# KiCad board ABG-K7072.kicad_pcb (continued)
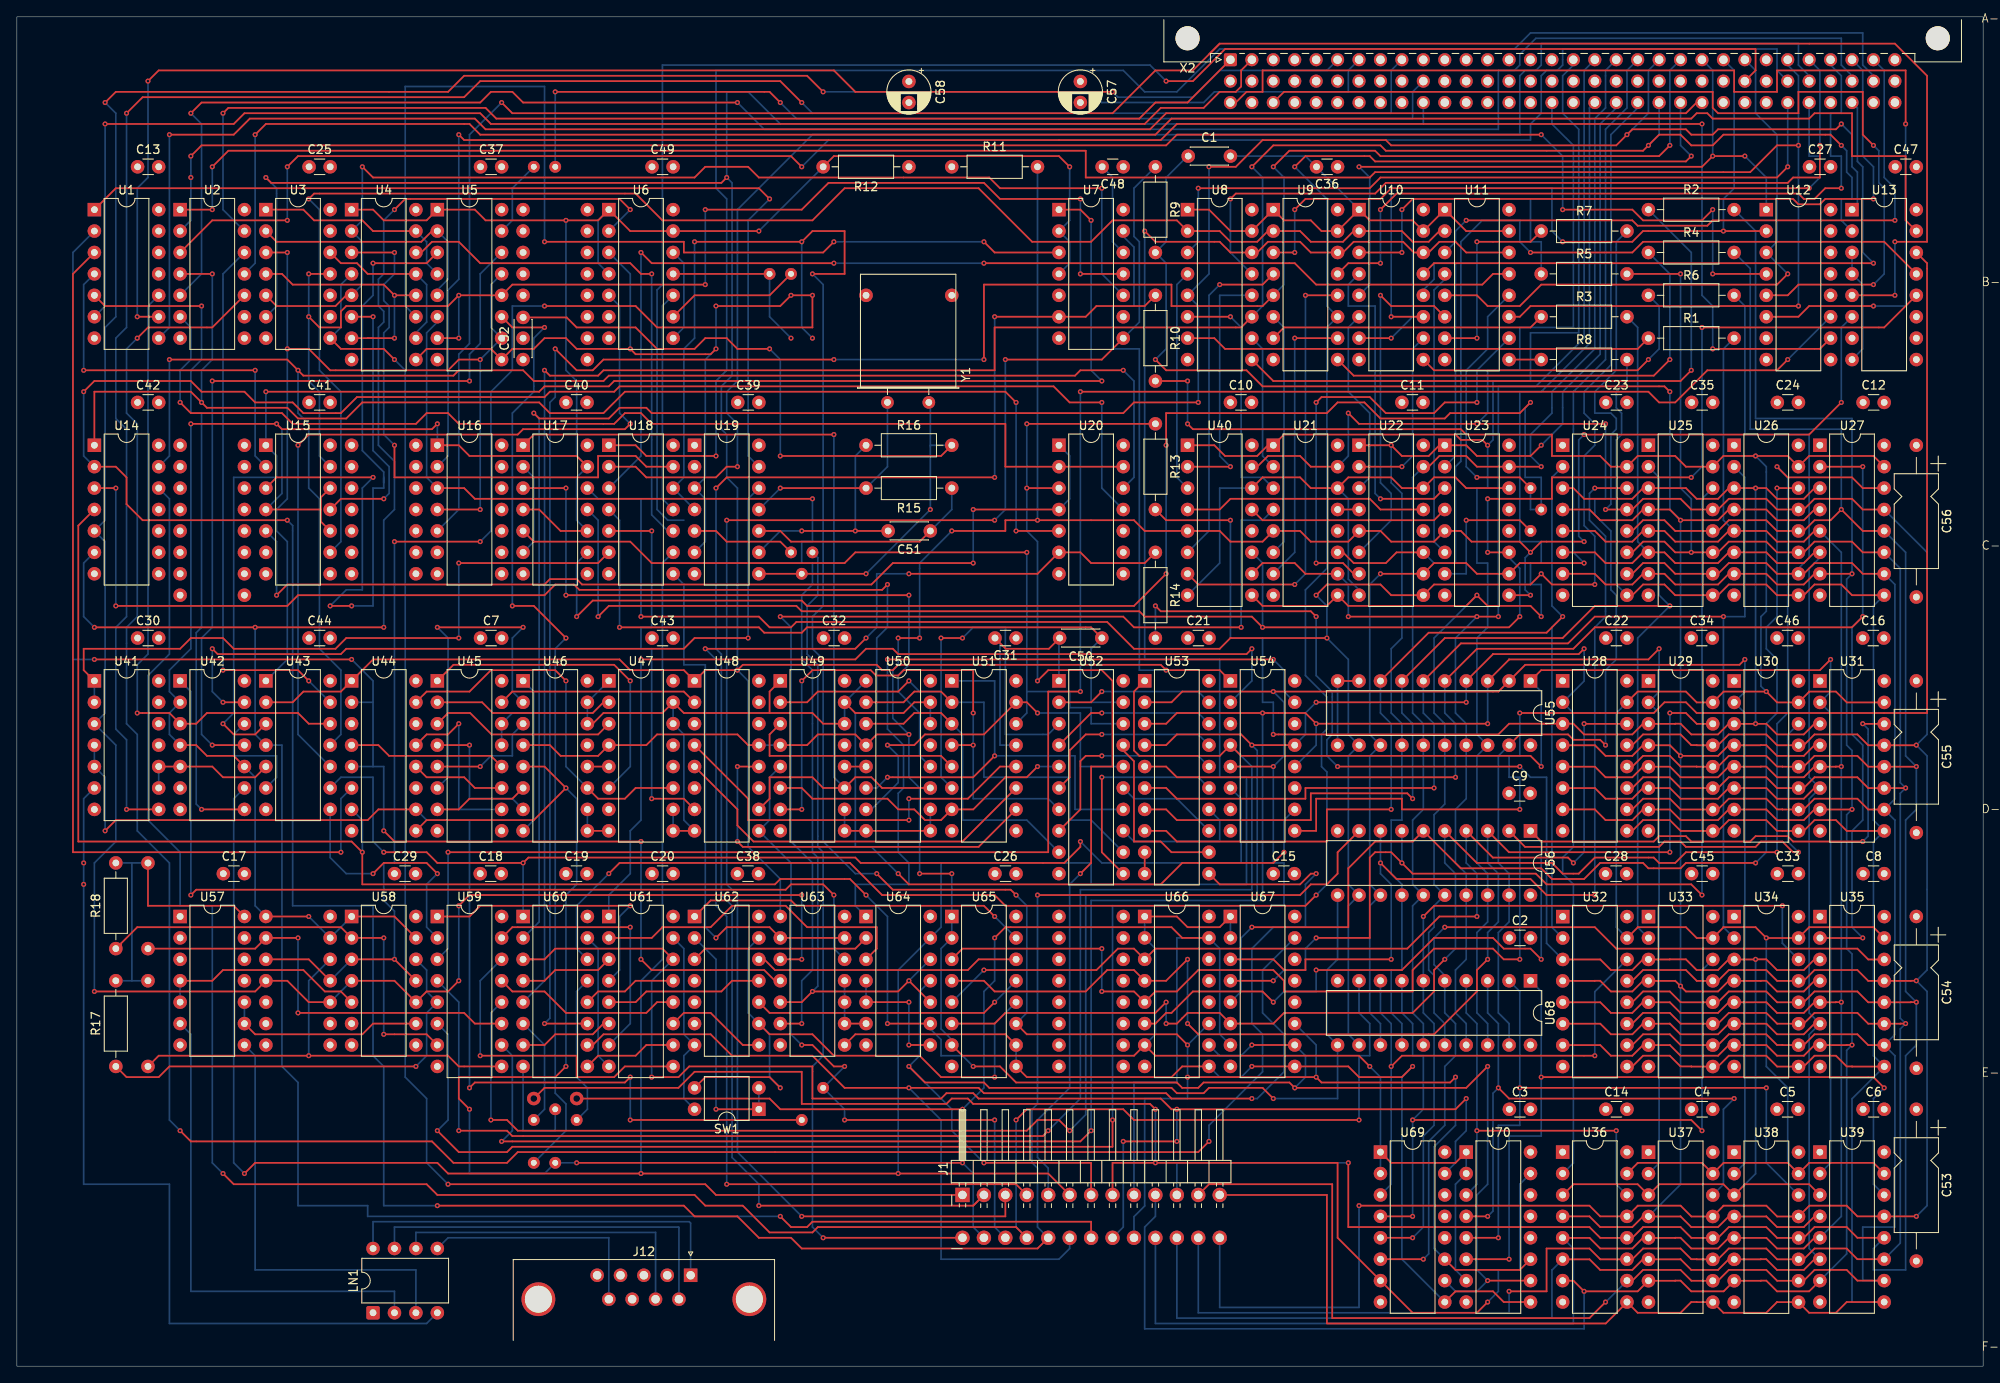
[diagram p0: board, top side]
## Routing (per net, layer and track width the routed paths; a pad name or vN(x,y) marks a point on that pad's centre or on a via; arc(x,y) is an arc through that point) (continued)
/IDI4: length 170.1
  Top w0.2: v1(218.73,106.66) U27.2 ; U35.2 218.72,50.76 v1(218.73,50.78) ; v1(218.73,88.88) 217.47,87.61 186.98,87.61 184.44,85.07 173.01,85.07 173.01,85.06 U55.5 ; v1(170.47,69.83) 137.46,69.83 136.19,71.1 U53.5
  Bottom w0.2: U55.5 169.21,77.45 170.47,76.18 v1(170.47,69.83) ; v1(218.73,50.78) 217.47,52.05 217.47,63.48 218.73,64.75 218.73,73.64 217.47,74.91 217.47,87.61 v1(218.73,88.88) v1(218.73,106.66)
/IDI5: length 147.5
  Top w0.2: v1(202.22,88.88) 186.98,88.88 183.81,85.7 171.12,85.7 U55.6 ; v1(167.94,68.56) 152.69,68.56 152.69,67.29 137.46,67.29 136.19,68.56 U53.6
  Bottom w0.2: U34.2 202.22,52.04 v1(202.22,88.88) 204.76,88.88 204.76,105.39 U26.2 ; v1(167.94,68.56) 167.94,76.18 166.66,77.45 U55.6
/IDI6: length 144.7
  Top w0.2: U53.7 136.19,66.02 137.46,64.75 153.33,64.75 153.33,67.92 164.76,67.92 v1(165.4,67.29) ; v1(195.88,90.15) 186.98,90.15 183.18,86.34 169.21,86.34 169.21,86.33 U55.7
  Bottom w0.2: U25.2 194.6,105.39 194.6,91.42 v1(195.88,90.15) 192.06,86.34 192.06,52.04 U33.2 ; U55.7 164.12,77.45 165.4,76.18 v1(165.4,67.29)
/IDI7: length 132.1
  Top w0.2: U53.8 136.19,63.48 137.46,62.21 155.23,62.21 155.23,66.02 v1(162.85,66.02) ; U55.8 161.59,81.26 167.3,86.97 181.27,86.97 v1(183.18,88.88)
  Bottom w0.2: v1(162.85,66.02) 162.85,76.18 161.59,77.45 U55.8 ; U32.2 181.91,52.04 181.91,87.61 v1(183.18,88.88) 181.91,90.15 181.91,105.39 U24.2
/IDO0: length 97.4
  Top w0.2: v1(221.28,33) 220.01,34.27 v1(180.63,34.27) ; v1(176.82,12.68) U70.6
  Bottom w0.2: U68.1 180.63,44.43 v1(180.63,34.27) 180.63,27.28 176.82,27.28 v1(176.82,12.68) ; v1(221.28,33) 220.01,31.73 220.01,21.57 U39.14
/IDO1: length 80.9
  Top w0.2: v1(175.56,15.22) U70.5 ; v1(207.31,33) v1(178.09,33)
  Bottom w0.2: U68.2 178.09,44.43 v1(178.09,33) 178.09,28.56 175.56,28.56 v1(175.56,15.22) ; v1(207.31,33) 207.31,24.1 U38.14
/IDO2: length 72.5
  Top w0.2: v1(174.28,17.76) U70.4 ; v1(203.5,31.73) 176.82,31.73 v1(175.56,33)
  Bottom w0.2: v1(174.28,17.76) 174.92,18.4 174.92,32.37 v1(175.56,33) 175.56,40.62 174.28,41.89 U68.3 ; U37.14 202.22,21.54 202.22,30.46 v1(203.5,31.73)
/IDO3: length 51.1
  Top w0.2: v1(189.53,27.92) v1(173.01,27.92)
  Bottom w0.2: U70.3 173.01,21.57 v1(173.01,27.92) 173.01,40.62 171.75,41.89 U68.4 ; v1(189.53,27.92) 189.53,21.56 190.81,20.28
/IDO4: length 101.3
  Top w0.2: U35.14 219.39,48.22 218.1,49.51 189.53,49.51 186.98,52.05 v1(169.21,52.05) ; v1(166.66,12.68) U69.6
  Bottom w0.2: v1(169.21,52.05) 167.94,50.78 167.94,47.6 169.21,46.34 U68.5 169.21,41.89 170.47,40.62 170.47,36.81 169.21,35.54 169.21,28.56 167.3,26.65 167.3,13.31 v1(166.66,12.68)
/IDO5: length 93.7
  Top w0.2: v1(165.4,15.22) U69.5 ; v1(209.21,54.59) 167.94,54.59 v1(166.66,53.32)
  Bottom w0.2: v1(165.4,15.22) 166.66,16.49 166.66,27.28 167.94,28.56 167.94,40.62 166.66,41.89 U68.6 v1(166.66,53.32) ; v1(209.21,54.59) 209.21,50.14 U34.14
/IDO6: length 89.7
  Top w0.2: v1(165.4,17.76) U69.4 ; v1(199.69,27.92) 198.41,29.19 v1(165.4,29.19)
  Bottom w0.2: v1(199.69,27.92) 199.69,46.94 U33.14 ; U68.7 164.12,41.89 165.4,40.62 165.4,36.81 166.66,36.81 166.66,30.46 v1(165.4,29.19) v1(165.4,17.76)
/IDO7: length 64.1
  Top w0.2: v1(162.85,35.54) 164.12,36.81 v1(186.98,36.81)
  Bottom w0.2: U32.14 186.98,44.41 v1(186.98,36.81) ; U69.3 162.85,21.57 v1(162.85,35.54) 162.85,40.62 161.59,41.89 U68.8
/IDO8: length 128.5
  Top w0.2: v1(180.63,48.24) 179.37,49.51 176.19,49.51 174.92,50.78 167.94,50.78 164.12,46.97 v1(153.97,46.97) ; U56.1 180.62,62.21 193.97,62.21 194.6,62.84 197.78,62.84 198.41,62.21 205.4,62.21 206.03,62.84 209.84,62.84 210.48,62.21 v1(218.73,62.21) ; U66.6 134.91,40.62 136.19,41.89 136.82,41.89 139.36,44.43 147.62,44.43 v1(148.88,43.16) ; U31.14 218.75,76.16 v1(218.73,76.18)
  Bottom w0.2: v1(218.73,62.21) 219.37,62.84 219.37,75.55 v1(218.73,76.18) ; v1(148.88,43.16) 150.16,44.43 153.97,44.43 v1(153.97,46.97) ; U56.1 179.38,63.47 180.63,62.21 v1(180.63,48.24)
/IDO9: length 149.4
  Top w0.2: U65.3 112.06,49.51 v1(128.56,49.51) ; U56.2 178.72,61.57 194.6,61.57 195.24,62.21 197.15,62.21 197.78,61.57 206.03,61.57 206.67,62.21 209.21,62.21 210.48,60.94 v1(211.12,60.94) ; v1(128.56,44.43) 132.38,44.43 U66.5 134.91,44.43 137.46,44.43 140,46.97 148.88,46.97 150.16,45.7 150.16,44.43 165.4,44.43 165.4,46.97 167.94,49.51 174.92,49.51 176.19,48.24 v1(178.09,48.24)
  Bottom w0.2: U56.2 178.09,62.2 v1(178.09,48.24) ; U30.14 209.84,74.88 209.84,62.21 v1(211.12,60.94) ; v1(128.56,44.43) v1(128.56,49.51)
/IDO10: length 141
  Top w0.2: v1(138.72,40.62) 140,39.35 167.94,39.35 173.01,44.43 173.01,46.97 v1(174.28,48.24) ; U65.4 114.59,45.7 115.87,44.43 126.66,44.43 129.2,46.97 132.38,46.97 U66.4 136.19,45.7 v1(138.72,48.24) ; v1(195.88,60.94) 176.81,60.94 U56.3 ; v1(195.88,77.45) 197.78,77.45 199.06,76.16 U29.14
  Bottom w0.2: v1(138.72,40.62) v1(138.72,48.24) ; v1(174.28,48.24) 174.28,51.41 175.56,52.69 175.56,58.4 174.28,59.67 U56.3 ; v1(195.88,77.45) v1(195.88,60.94)
/IDO11: length 114.6
  Top w0.2: v1(173.01,53.32) 168.57,53.32 164.76,49.51 134.91,49.51 U66.3 132.38,49.51 130.47,49.51 127.93,46.97 v1(114.59,46.97) ; U56.4 174.91,60.31 183.81,60.31 v1(184.44,59.67) ; v1(185.72,76.18) 185.73,76.16 190.81,76.16
  Bottom w0.2: v1(173.01,53.32) 173.01,58.4 171.75,59.67 U56.4 ; v1(185.72,76.18) 185.72,60.94 v1(184.44,59.67) ; U65.5 v1(114.59,46.97)
/IDO12: length 187.6
  Top w0.2: U65.6 115.87,40.62 117.13,41.89 134.91,41.89 v1(136.19,43.16) ; U27.14 218.73,104.12 217.47,105.39 209.84,105.39 v1(208.57,106.66) ; U56.5 173,59.67 181.91,59.67 183.18,58.4 185.08,58.4 186.98,60.31 193.97,60.31 194.6,59.67 196.51,59.67 197.78,60.94 v1(208.57,60.94) ; v1(169.21,48.24) 167.94,46.97 167.94,44.43 165.4,41.89 150.16,41.89 148.88,40.62 U67.6 142.53,41.89 138.72,41.89 137.46,40.62 v1(136.19,40.62)
  Bottom w0.2: U56.5 169.21,59.67 170.47,58.4 170.47,49.51 v1(169.21,48.24) ; v1(208.57,60.94) 208.57,76.18 209.84,77.45 209.84,105.39 v1(208.57,106.66) ; v1(136.19,40.62) v1(136.19,43.16)
/IDO13: length 131.2
  Top w0.2: v1(208.57,104.12) U26.14 ; v1(206.03,59.67) 197.78,59.67 197.15,59.03 193.34,59.03 192.7,59.67 187.62,59.67 185.72,57.76 181.91,57.76 180.63,59.03 171.1,59.03 U56.6 165.41,62.21 160.95,62.21 157.78,59.03 157.78,52.05 v1(146.34,52.05)
  Bottom w0.2: U67.5 145.07,44.43 145.07,50.78 v1(146.34,52.05) ; v1(206.03,59.67) 207.31,60.94 207.31,76.18 208.57,77.45 208.57,83.8 207.31,85.07 207.31,87.61 208.57,88.88 v1(208.57,104.12)
/IDO14: length 124
  Top w0.2: U67.4 v1(148.88,45.7) ; v1(153.97,50.78) 160.31,50.78 160.31,60.31 160.95,60.94 162.85,60.94 v1(164.12,59.67) 165.4,58.4 180,58.4 181.27,57.13 198.41,57.13 v1(199.69,55.86)
  Bottom w0.2: U25.14 199.69,102.85 v1(199.69,55.86) ; v1(148.88,45.7) 150.16,46.97 152.69,46.97 152.69,49.51 v1(153.97,50.78) ; v1(164.12,59.67) U56.7
/IDO15: length 117.2
  Top w0.2: v1(161.59,59.67) 163.49,57.76 179.37,57.76 181.27,55.86 v1(186.98,55.86) ; U67.3 148.88,48.24 150.16,46.97 152.69,46.97 152.69,48.24 v1(162.85,48.24) ; v1(186.98,104.12) U24.14
  Bottom w0.2: v1(186.98,55.86) 186.98,87.61 188.25,88.88 188.25,98.41 186.35,100.31 186.35,103.48 v1(186.98,104.12) ; v1(162.85,48.24) 162.85,57.13 161.59,58.4 v1(161.59,59.67) U56.8
/LineCtrReset: length 46.6
  Top w0.2: U51.10 113.96,61.57 86.02,61.57 v1(85.38,62.21) ; v1(85.38,71.1) U48.12
  Bottom w0.2: v1(85.38,62.21) v1(85.38,71.1)
AdMuxA: length 436.5
  Top w0.2: v1(133.65,134.6) 134.91,133.33 142.53,133.33 143.81,132.06 U8.14 146.98,132.06 148.25,133.33 152.06,133.33 153.33,132.06 U9.14 157.14,132.06 158.41,133.33 164.26,133.33 165.53,132.06 U10.14 167.3,132.06 168.57,133.33 170.47,133.33 171.75,132.06 U11.14 ; v1(26.97,22.84) 28.23,24.11 49.83,24.11 51.09,22.84 v1(73.95,22.84) v1(104.44,22.84) 122.22,22.84 J1.b6
  Bottom w0.2: U42.9 25.69,67.29 25.69,24.11 v1(26.97,22.84) ; v1(104.44,22.84) 104.44,46.97 U64.13 109.51,52.05 109.51,59.67 127.29,59.67 127.29,57.13 145.71,57.13 145.71,69.83 142.53,69.83 142.53,83.8 133.65,83.8 v1(133.65,134.6) ; v1(73.95,22.84) 73.95,45.7 76.5,48.24 76.5,95.23 U18.9
AdMuxB: length 189.2
  Top w0.2: v1(34.58,138.41) 35.22,139.04 73.32,139.04 76.5,135.87 94.28,135.87 98.09,139.68 113.96,139.68 120.31,133.33 127.29,133.33 129.84,135.87 137.46,135.87 U8.2 142.53,134.6 143.81,133.33 146.98,133.33 148.25,134.6 U9.2 152.06,134.6 153.33,133.33 157.14,133.33 158.41,134.6 U10.2 164.12,134.6 165.4,133.33 167.3,133.33 168.57,134.6 U11.2
  Bottom w0.2: U15.9 38.39,97.77 38.39,115.55 35.86,118.09 35.86,137.14 v1(34.58,138.41)
BLINK: length 90.8
  Top w0.2: v1(148.88,83.8) v1(103.16,83.8)
  Bottom w0.2: v1(103.16,83.8) 103.16,75.55 105.07,73.64 105.07,68.56 104.44,67.92 104.44,60.94 105.71,59.67 105.71,57.13 99.35,57.13 99.35,54.59 U64.1 ; U54.15 150.16,79.99 150.16,82.53 v1(148.88,83.8)
CAS: length 286.8
  Top w0.2: v1(138.72,116.82) R10.2 ; 190.81,22.82 192.06,24.09 192.06,24.11 199.68,24.11 U37.15 202.25,24.11 209.84,24.11 U38.15 212.39,24.09 212.39,24.11 220.01,24.11 U39.15 ; v1(138.72,111.74) 139.36,111.1 171.11,111.1 171.75,110.47 181.91,110.47 181.91,107.93 187.62,107.93 188.89,106.66 U24.15 192.06,107.93 196.51,107.93 197.78,106.66 U25.15 202.22,107.93 v1(206.03,107.93) 209.84,107.93 U26.15 212.39,107.93 220.01,107.93 U27.15 ; 221.28,78.7 216.84,78.7 215.56,79.99 212.39,79.99 212.39,79.97 211.12,78.7 208.59,78.7 v1(207.31,79.99) 202.25,79.99 200.97,78.7 199.06,78.7 197.78,79.99 192.06,79.99 U28.15 ; U32.15 192.06,52.03 192.06,52.05 197.78,52.05 199.06,50.76 U33.15 202.22,52.03 202.22,52.05 206.03,52.05 207.32,50.76 U34.15 211.12,50.79 212.39,52.05 220,52.05 U35.15
  Bottom w0.2: v1(206.03,107.93) 207.31,106.66 207.31,89.52 206.67,88.88 206.67,80.62 v1(207.31,79.99) ; v1(207.31,50.78) 207.31,35.54 209.84,33 209.84,24.1 U38.15 ; 190.81,78.7 189.55,77.45 189.53,77.45 189.53,52.04 U32.15 ; v1(138.72,111.74) v1(138.72,116.82)
CLK1: length 246.8
  Top w0.2: U58.11 v1(44.75,48.24) U58.3 ; v1(62.53,125.71) 73.32,125.71 75.86,123.17 94.28,123.17 v1(94.28,126.98) v1(91.73,126.98) 90.47,125.71 v1(82.84,125.71) ; U4.9 48.55,120.63 56.17,120.63 U5.9 58.72,120.63 61.25,120.63 62.53,121.9 65.06,121.9 66.33,120.63 v1(72.69,120.63) 73.32,119.99 82.21,119.99 v1(82.84,120.63) ; v1(54.91,97.77) v1(44.75,97.77) ; 29.5,48.24 34.58,48.24 37.12,45.7
  Bottom w0.2: U19.6 81.58,97.77 81.58,102.85 U19.3 81.58,105.39 81.58,119.36 v1(82.84,120.63) v1(82.84,125.71) ; v1(44.75,97.77) 44.75,59.67 43.47,59.67 43.47,55.22 44.75,53.95 v1(44.75,48.24) ; v1(72.69,120.63) 72.69,129.52 U6.3 ; v1(54.91,97.77) 56.17,99.04 56.17,115.55 58.72,118.09 58.72,125.71 v1(62.53,125.71) ; U58.3 37.12,45.7
CLK2: length 311.2
  Top w0.2: v1(80.3,133.33) v1(93,133.33) 94.28,134.6 98.09,134.6 98.09,129.52 v1(94.28,129.52) ; v1(170.47,34.27) 169.84,33.63 154.6,33.63 v1(153.97,34.27) v1(138.72,34.27) ; U70.11 178.09,11.41 170.47,11.41 U69.11 ; v1(118.41,55.86) 117.77,56.5 103.8,56.5 v1(101.9,58.4) ; U65.11 119.68,39.35 137.46,39.35 v1(138.72,38.08)
  Bottom w0.2: U66.11 v1(138.72,38.08) v1(138.72,34.27) 138.72,31.73 133.65,31.73 133.65,19 132.38,17.73 J1.a9 ; U19.4 U18.12 79.03,105.39 79.03,120.63 80.3,121.9 v1(80.3,133.33) ; v1(94.28,121.9) 93,123.17 v1(93,133.33) ; U69.11 167.94,13.95 167.94,26.01 170.47,28.56 v1(170.47,34.27) ; v1(101.9,58.4) 99.35,58.4 95.54,62.21 95.54,83.8 94.28,85.07 94.28,88.88 95.54,90.15 95.54,128.25 v1(94.28,129.52) ; U65.11 119.68,41.89 119.68,54.59 v1(118.41,55.86) ; U67.11 153.97,38.08 v1(153.97,34.27)
GRAF: length 112.9
  Top w0.2: v1(146.34,85.07) 145.71,84.44 104.44,84.44 103.8,85.07 100.62,85.07 99.35,83.8 v1(73.95,83.8)
  Bottom w0.2: U61.1 70.14,55.86 72.69,58.4 72.69,63.48 73.95,64.75 v1(73.95,83.8) ; U54.2 146.34,81.26 v1(146.34,85.07)
H1: length 430.8
  Top w0.2: v1(106.97,58.4) v1(110.78,58.4) ; v1(110.78,99.04) 117.13,99.04 117.13,100.31 v1(120.94,100.31) 132.38,100.31 133.65,99.04 U40.5 142.53,99.04 143.81,97.77 147.62,97.77 U21.5 152.06,99.04 153.33,97.77 157.78,97.77 U22.5 161.59,99.04 162.85,97.77 167.94,97.77 U23.5 171.11,99.04 172.38,97.77 178.09,97.77 v1(179.37,96.5) 180.63,97.77 v1(185.72,97.77) ; U70.1 170.47,24.11 162.85,24.11 U69.1 ; U48.13 86.66,73.64 85.38,74.91 75.86,74.91 74.59,73.64 U47.4 68.88,72.37 64.43,72.37 63.16,73.64 U46.4 ; v1(185.72,110.47) 212.39,110.47 v1(216.2,114.28) ; v1(106.97,86.34) v1(104.44,86.34) ; U49.4 93.64,73.64 94.91,74.91 99.35,74.91 U50.4 101.9,74.91 v1(105.71,74.91) ; U67.1 142.53,52.05 138.72,52.05 137.46,53.32 U66.1 ; U65.7 112.06,36.81 132.38,36.81 U66.7 134.91,36.81 159.04,36.81 v1(160.31,35.54) ; U23.9 v1(179.37,91.42)
  Bottom w0.2: v1(179.37,96.5) 178.73,95.86 178.73,92.05 v1(179.37,91.42) ; U49.4 U48.13 ; v1(160.31,35.54) 161.59,34.27 U69.1 U69.2 ; v1(104.44,86.34) 104.44,83.16 103.8,82.53 103.8,76.81 v1(105.71,74.91) 105.71,69.83 106.97,68.56 v1(106.97,58.4) ; v1(110.78,99.04) 106.97,95.23 v1(106.97,86.34) ; v1(185.72,110.47) 185.08,109.83 185.08,98.41 v1(185.72,97.77) ; U66.7 134.91,39.35 134.91,49.51 U66.2 U66.1 ; U13.6 216.2,123.17 v1(216.2,114.28) ; v1(120.94,100.31) R11.2 ; U70.7 170.47,11.41 170.47,21.57 U70.2 U70.1 ; U65.7 110.78,38.72 109.51,39.98 109.51,49.51 U65.2 v1(110.78,58.4) ; U67.2 U67.1
H2: length 327
  Top w0.2: U17.4 61.89,101.58 64.43,99.04 U17.10 ; v1(87.93,134.6) U6.13 72.69,134.6 U6.1 68.88,135.87 v1(65.06,135.87) 55.54,135.87 54.27,137.14 U5.1 48.55,135.87 43.47,135.87 42.2,137.14 U4.1 ; v1(34.58,53.32) 29.5,53.32 ; U16.1 52.36,109.2 53.64,107.93 66.33,107.93 U17.13 ; v1(49.83,111.74) 49.19,111.1 31.41,111.1 v1(30.78,111.74) v1(20.61,111.74) ; R12.2 96.81,143.49 123.48,143.49 v1(124.75,142.22) ; 36.02,101.58 36.02,103.02 U15.12 ; 36.02,101.58 36.02,100.14 U15.10 ; 36.02,101.58 U15.4 ; U58.1 44.75,53.32 U58.13 ; U42.10 25.69,72.37 22.52,72.37 21.25,73.64 U42.4
  Bottom w0.2: U17.10 66.33,100.31 66.33,105.39 U17.13 66.33,107.93 66.33,116.82 65.06,118.09 v1(65.06,135.87) ; R12.2 v1(87.93,134.6) ; U42.10 28.23,69.83 28.23,54.59 29.5,53.32 ; U6.1 68.88,135.87 68.88,130.79 U6.4 ; U42.4 18.07,74.91 18.07,77.45 U42.2 18.07,79.99 18.07,82.53 20.61,85.07 v1(20.61,111.74) ; v1(34.58,53.32) 37.12,50.78 U58.1 ; U15.4 31.41,103.48 31.41,111.1 v1(30.78,111.74) ; v1(124.75,142.22) 124.75,135.87 U7.2 124.75,133.33 124.75,130.79 U7.4 ; U16.1 v1(49.83,111.74)
IA0: length 319.8
  Top w0.2: 183.19,71.09 187,71.09 188.25,69.83 191.43,69.83 192.7,71.1 192.72,71.09 195.89,71.09 197.15,69.83 201.59,69.83 202.86,71.1 202.88,71.09 206.66,71.09 206.67,71.1 207.31,71.1 208.57,69.83 211.75,69.83 213.02,71.1 213.03,71.09 215.54,71.09 215.56,71.1 v1(216.2,71.1) ; 183.19,15.2 186.37,15.2 187.62,13.95 191.43,13.95 192.7,15.22 192.72,15.2 U37.5 196.5,15.2 196.51,15.22 197.15,15.22 198.41,13.95 201.59,13.95 202.86,15.22 202.88,15.2 U38.5 207.32,15.2 208.57,13.95 211.75,13.95 213.02,15.22 U39.5 ; U32.5 187.63,43.15 188.89,41.89 191.43,41.89 192.7,43.16 192.72,43.15 U33.5 195.88,43.15 197.13,41.89 201.59,41.89 202.86,43.16 202.88,43.15 U34.5 207.32,43.15 208.57,41.89 211.75,41.89 213.02,43.16 213.03,43.15 U35.5 215.54,43.15 215.56,43.16 v1(216.2,43.16) ; U24.5 186.98,99.04 188.25,97.77 191.43,97.77 192.7,99.04 U25.5 195.24,99.04 196.51,97.77 201.59,97.77 202.86,99.04 U26.5 207.31,99.04 208.57,97.77 211.75,97.77 213.02,99.04 U27.5
  Bottom w0.2: U26.5 202.22,100.31 202.22,120.63 R1.2 ; J1.a10 134.91,5.06 184.44,5.06 184.44,13.95 184.44,13.95 183.19,15.2 ; U39.5 216.2,17.76 v1(216.2,43.16) v1(216.2,71.1) 216.2,96.5 U27.5
IA1: length 361
  Top w0.2: U24.7 186.98,93.96 188.25,92.69 191.43,92.69 192.7,93.96 U25.7 195.24,93.96 196.51,92.69 201.59,92.69 202.86,93.96 U26.7 207.31,93.96 208.57,92.69 211.75,92.69 213.02,93.96 U27.7 v1(217.47,93.96) ; U39.7 212.39,8.87 208.57,8.87 207.31,10.14 206.67,10.14 206.66,10.12 U38.7 202.25,8.87 198.41,8.87 197.15,10.14 196.51,10.14 196.5,10.12 U37.7 193.32,10.12 192.06,8.87 v1(185.72,8.87) 184.46,10.12 183.19,10.12 ; v1(217.47,38.08) 216.83,38.08 216.82,38.06 U35.7 213.03,38.06 213.02,38.08 211.75,36.81 208.57,36.81 207.32,38.06 U34.7 203.49,38.08 202.86,38.08 201.59,36.81 197.15,36.81 195.89,38.06 U33.7 192.72,38.06 192.7,38.08 191.43,36.81 188.89,36.81 187.63,38.06 U32.7 ; 183.19,66 183.2,66.02 186.98,66.02 188.25,64.75 191.43,64.75 192.7,66.02 192.72,66 U29.7 195.89,66 197.15,64.75 201.59,64.75 202.86,66.02 202.88,66 U30.7 207.29,66 207.31,66.02 208.57,64.75 211.75,64.75 213.02,66.02 213.03,66 U31.7 217.45,66 v1(217.47,66.02)
  Bottom w0.2: U39.7 216.83,13.31 216.83,37.44 v1(217.47,38.08) 217.47,48.88 216.83,49.51 216.83,65.38 v1(217.47,66.02) 217.47,73 216.83,73.64 216.83,93.33 v1(217.47,93.96) 217.47,112.38 206.03,112.38 206.03,134.6 R2.2 ; J1.b10 134.91,17.76 133.65,16.49 133.65,4.42 185.72,4.42 v1(185.72,8.87)
IA2: length 312
  Top w0.2: U31.6 213.03,68.54 213.02,68.56 211.75,67.29 208.57,67.29 207.32,68.54 U30.6 202.88,68.54 202.86,68.56 201.59,67.29 197.15,67.29 195.89,68.54 U29.6 192.72,68.54 192.7,68.56 191.43,67.29 188.25,67.29 187,68.54 183.19,68.54 ; U32.6 187.63,40.6 188.89,39.35 191.43,39.35 192.7,40.62 192.72,40.6 U33.6 195.86,40.6 195.88,40.62 197.15,39.35 201.59,39.35 202.86,40.62 202.88,40.6 U34.6 207.32,40.6 208.57,39.35 211.75,39.35 213.02,40.62 213.03,40.6 U35.6 ; U39.6 213.02,12.68 211.75,11.41 208.57,11.41 207.31,12.68 206.67,12.68 206.66,12.66 U38.6 202.88,12.66 202.86,12.68 201.59,11.41 198.41,11.41 197.15,12.68 197.13,12.66 U37.6 192.72,12.66 192.7,12.68 191.43,11.41 187.62,11.41 186.37,12.66 183.19,12.66 ; U24.6 186.98,96.5 188.25,95.23 191.43,95.23 192.7,96.5 U25.6 195.24,96.5 196.51,95.23 201.59,95.23 202.86,96.5 U26.6 207.31,96.5 208.57,95.23 211.75,95.23 213.02,96.5 U27.6
  Bottom w0.2: U39.6 212.39,13.95 212.39,39.32 U35.6 212.39,41.88 212.39,67.26 U31.6 212.39,69.82 212.39,94.59 213.66,95.86 U27.6 ; U25.6 192.06,97.77 192.06,123.17 R3.2 ; J1.a11 137.46,5.69 181.91,5.69 181.91,11.41 181.93,11.41 183.19,12.66
IA3: length 349.6
  Top w0.2: U27.12 218.73,99.04 v1(216.2,101.58) 214.92,100.31 213.02,100.31 211.75,99.04 U26.12 208.57,99.04 207.31,100.31 202.86,100.31 201.59,99.04 U25.12 196.51,99.04 195.24,100.31 192.7,100.31 191.43,99.04 U24.12 ; v1(225.09,71.1) 225.07,71.09 219.39,71.09 218.1,72.37 213.02,72.37 211.73,71.09 209.22,71.09 209.21,71.1 208.57,71.1 207.31,72.37 202.86,72.37 201.57,71.09 199.06,71.09 199.05,71.1 197.15,71.1 195.88,72.37 192.7,72.37 191.41,71.09 190.81,71.09 ; v1(225.09,43.16) 224.45,43.16 224.43,43.15 U35.12 219.39,43.15 218.1,44.43 213.02,44.43 211.73,43.15 U34.12 208.59,43.15 207.31,44.43 202.86,44.43 201.57,43.15 U33.12 197.16,43.15 195.88,44.43 192.7,44.43 191.41,43.15 U32.12 ; U39.12 218.1,15.22 216.83,16.49 213.02,16.49 211.73,15.2 U38.12 208.59,15.2 207.31,16.49 202.86,16.49 201.57,15.2 U37.12 198.43,15.2 197.15,16.49 192.7,16.49 191.41,15.2 187.63,15.2 186.35,16.49 157.78,16.49 v1(157.78,24.11)
  Bottom w0.2: U27.12 223.82,96.5 223.82,72.37 v1(225.09,71.1) 225.09,66.02 223.82,64.75 223.82,44.43 v1(225.09,43.16) 225.09,38.08 223.82,36.81 223.82,11.41 220.01,11.41 220.01,13.95 U39.12 ; v1(216.2,101.58) 216.2,111.1 205.4,111.1 205.4,130.16 R4.2 ; v1(157.78,24.11) 137.46,24.11 J1.b11
IA4: length 333.9
  Top w0.2: U39.11 218.1,12.68 216.83,13.95 213.02,13.95 211.73,12.66 U38.11 208.59,12.66 207.31,13.95 202.86,13.95 201.57,12.66 U37.11 199.06,12.66 199.05,12.68 198.41,12.68 197.15,13.95 192.7,13.95 191.41,12.66 187.63,12.66 186.35,13.95 181.27,13.95 181.27,8.87 v1(176.82,8.87) ; U24.11 191.43,96.5 192.7,97.77 195.24,97.77 196.51,96.5 v1(198.41,96.5) U25.11 201.59,96.5 202.86,97.77 207.31,97.77 208.57,96.5 U26.11 211.75,96.5 213.02,97.77 217.47,97.77 218.73,96.5 U27.11 ; 190.81,68.54 191.41,68.54 192.7,69.83 195.88,69.83 197.16,68.54 U29.11 201.57,68.54 202.86,69.83 207.31,69.83 208.59,68.54 U30.11 211.73,68.54 213.02,69.83 218.1,69.83 219.39,68.54 U31.11 223.8,68.54 v1(223.82,68.56) ; R5.2 v1(197.15,129.52) ; U32.11 191.41,40.6 192.7,41.89 195.88,41.89 197.16,40.6 U33.11 201.57,40.6 202.86,41.89 207.31,41.89 208.59,40.6 U34.11 211.73,40.6 213.02,41.89 218.1,41.89 219.39,40.6 U35.11 223.16,40.6 223.18,40.62 v1(223.82,40.62)
  Bottom w0.2: v1(198.41,96.5) 198.41,102.85 197.15,104.12 v1(197.15,129.52) ; J1.a12 140,6.33 176.82,6.33 v1(176.82,8.87) ; U27.11 223.18,94.59 223.18,69.19 v1(223.82,68.56) 223.18,67.92 223.18,41.25 v1(223.82,40.62) 223.18,39.98 223.18,14.59 U39.11
IA5: length 338.2
  Top w0.2: 190.81,10.12 191.41,10.12 192.7,11.41 197.15,11.41 198.43,10.12 U37.10 201.57,10.12 202.86,11.41 207.31,11.41 208.59,10.12 U38.10 211.73,10.12 213.02,11.41 216.83,11.41 218.1,10.14 U39.10 ; v1(188.25,7.6) 186.35,5.69 155.87,5.69 155.87,21.57 141.26,21.57 J1.b12 ; U31.10 219.39,66 218.1,67.29 213.02,67.29 211.73,66 U30.10 209.22,66 209.21,66.02 208.57,66.02 207.31,67.29 202.86,67.29 201.57,66 U29.10 197.16,66 195.88,67.29 192.7,67.29 191.41,66 190.81,66 ; U27.10 218.73,93.96 217.47,95.23 213.02,95.23 211.75,93.96 U26.10 208.57,93.96 207.31,95.23 202.86,95.23 201.59,93.96 U25.10 196.51,93.96 195.24,95.23 192.7,95.23 191.43,93.96 U24.10 ; U32.10 191.41,38.06 192.7,39.35 195.88,39.35 197.16,38.06 U33.10 201.57,38.06 202.86,39.35 207.31,39.35 208.57,38.08 209.21,38.08 209.22,38.06 U34.10 211.73,38.06 213.02,39.35 218.1,39.35 219.39,38.06 U35.10
  Bottom w0.2: U27.10 222.54,92.69 222.54,67.26 U31.10 222.54,64.75 222.54,64.75 222.54,39.32 U35.10 222.54,36.81 222.54,36.81 222.54,16.49 218.73,16.49 218.73,10.14 U39.10 ; v1(188.25,7.6) 188.28,7.6 190.81,10.12 ; R6.2 204.76,125.71 204.76,110.47 212.39,110.47 212.39,95.86 211.12,94.59 U26.10
IA6: length 344.2
  Top w0.2: v1(225.09,45.7) 224.45,45.7 224.43,45.69 U35.13 219.39,45.69 218.1,46.97 213.02,46.97 211.73,45.69 U34.13 208.59,45.69 207.31,46.97 202.86,46.97 201.57,45.69 U33.13 199.06,45.69 197.78,46.97 192.7,46.97 191.41,45.69 U32.13 ; 191.43,17.76 191.41,17.75 190.81,17.75 192.06,19 192.06,19.03 197.15,19.03 198.43,17.75 U37.13 202.22,19 202.22,19.03 207.31,19.03 208.59,17.75 U38.13 212.41,19.03 216.83,19.03 218.1,17.76 U39.13 v1(225.09,17.76) ; v1(188.25,101.58) U24.13 191.43,101.58 192.7,102.85 197.15,102.85 198.41,101.58 U25.13 201.59,101.58 202.86,102.85 207.31,102.85 208.57,101.58 U26.13 211.75,101.58 213.02,102.85 217.47,102.85 218.73,101.58 U27.13 ; v1(159.04,19.03) 186.35,19.03 187.62,17.76 U36.13 ; 190.81,73.62 191.41,73.62 192.7,74.91 197.15,74.91 198.41,73.64 199.05,73.64 199.06,73.62 U29.13 201.57,73.62 202.86,74.91 207.31,74.91 208.59,73.62 U30.13 211.73,73.62 213.02,74.91 218.1,74.91 219.39,73.62 U31.13 225.07,73.62 v1(225.09,73.64)
  Bottom w0.2: J1.a13 142.53,6.97 159.04,6.97 v1(159.04,19.03) ; v1(225.09,17.76) 226.35,19.03 226.35,44.43 v1(225.09,45.7) 226.35,46.97 226.35,72.37 v1(225.09,73.64) 226.35,74.91 226.35,96.5 U27.13 ; v1(188.25,101.58) 188.89,102.22 188.89,110.47 189.53,111.1 189.53,112.38 188.89,113.01 186.98,113.01 186.98,115.55 189.53,118.09 189.53,133.33 R7.2
IA7: length 320
  Top w0.2: U32.9 191.41,35.53 192.7,36.81 195.88,36.81 197.15,35.54 198.41,35.54 198.43,35.53 U33.9 201.57,35.53 202.86,36.81 207.31,36.81 208.59,35.53 U34.9 211.73,35.53 213.02,36.81 215.56,36.81 216.83,35.54 217.47,35.54 217.48,35.53 U35.9 ; U24.9 191.43,91.42 192.7,92.69 195.24,92.69 196.51,91.42 U25.9 201.59,91.42 202.86,92.69 207.31,92.69 208.57,91.42 U26.9 211.75,91.42 213.02,92.69 216.2,92.69 217.47,91.42 U27.9 ; U39.9 216.83,7.6 215.56,6.33 212.38,6.33 U38.9 208.59,7.59 208.57,7.6 207.31,6.33 202.22,6.33 U37.9 199.06,7.59 199.05,7.6 198.41,7.6 197.15,6.33 192.06,6.33 190.81,7.59 188.28,5.06 155.23,5.06 155.23,20.3 J1.b13 ; 190.81,63.47 191.41,63.47 192.7,64.75 195.88,64.75 197.16,63.47 U29.9 201.57,63.47 202.86,64.75 207.31,64.75 208.57,63.48 209.21,63.48 209.22,63.47 U30.9 211.73,63.47 213.02,64.75 215.56,64.75 216.84,63.47 U31.9
  Bottom w0.2: R8.2 190.79,116.82 189.53,115.55 189.53,113.64 190.16,113.01 190.16,110.47 189.53,109.83 189.53,92.69 U24.9 ; U27.9 220.01,90.15 220.01,64.75 U31.9 220.03,62.21 220.01,62.21 220.01,36.81 U35.9 217.47,31.7 217.47,7.6 U39.9
J1A1: length 100.4
  Top w0.2: J1.a1 v1(95.54,15.22)
  Bottom w0.2: J9.1 94.91,95.86 94.91,91.42 93.64,90.15 93.64,84.44 94.91,83.16 94.91,61.57 95.54,60.94 95.54,36.81 94.28,35.54 94.28,16.49 v1(95.54,15.22)
J1A2: length 154.2
  Top w0.2: v1(112.06,24.11) v1(66.33,24.11) ; v1(53.64,30.46) 52.36,31.73 52.36,34.27 63.8,34.27 v1(65.06,35.54) ; U44.9 48.55,64.75 61.25,64.75 v1(65.06,68.56) 62.53,71.1 U46.5
  Bottom w0.2: J1.a2 113.32,16.49 113.32,22.84 v1(112.06,24.11) ; v1(66.33,24.11) J10.1 62.53,22.84 53.64,22.84 v1(53.64,30.46) ; v1(65.06,68.56) 66.33,67.29 66.33,57.13 65.06,55.86 v1(65.06,35.54)
J1A4: length 262.2
  Top w0.2: J1.a4 118.41,16.49 94.91,16.49 94.28,15.85 89.19,15.85 86.02,19.03 81.58,19.03 80.3,20.3 49.83,20.3 48.55,21.57 25.69,21.57 v1(24.42,22.84) ; v1(159.04,29.19) 132.38,29.19 131.1,30.46 119.68,30.46 v1(118.41,29.19)
  Bottom w0.2: v1(159.04,29.19) 159.04,36.81 160.31,36.81 160.31,40.62 159.04,41.89 U68.9 ; J1.a4 118.41,16.49 v1(118.41,29.19) ; v1(24.42,22.84) 23.16,24.11 23.16,54.59 19.34,54.59 19.34,60.94 15.53,64.75 15.53,81.89 18.07,84.44 18.07,102.85 U14.12
J1A6: length 145
  Top w0.2: U60.10 68.24,38.08 69.51,39.35 82.21,39.35 84.75,36.81 94.28,36.81 98.09,33 v1(105.71,33) 113.96,33 114.59,32.37 136.19,32.37 136.82,31.73 v1(146.34,31.73)